# Altium PCB Lancelot.PcbDoc (part 10 of 14)
Units mil, origin at the board's own origin, x right, y up, seen from the top; angles counter-clockwise.
Board outline 4837.61 x 3252.61 mil, 6 copper layers (Top Layer, Mid-Layer 1, Mid-Layer 2, Mid-Layer 3, Mid-Layer 4, Bottom Layer); 372 components, 275 nets, 2062 pads, 1350 vias.
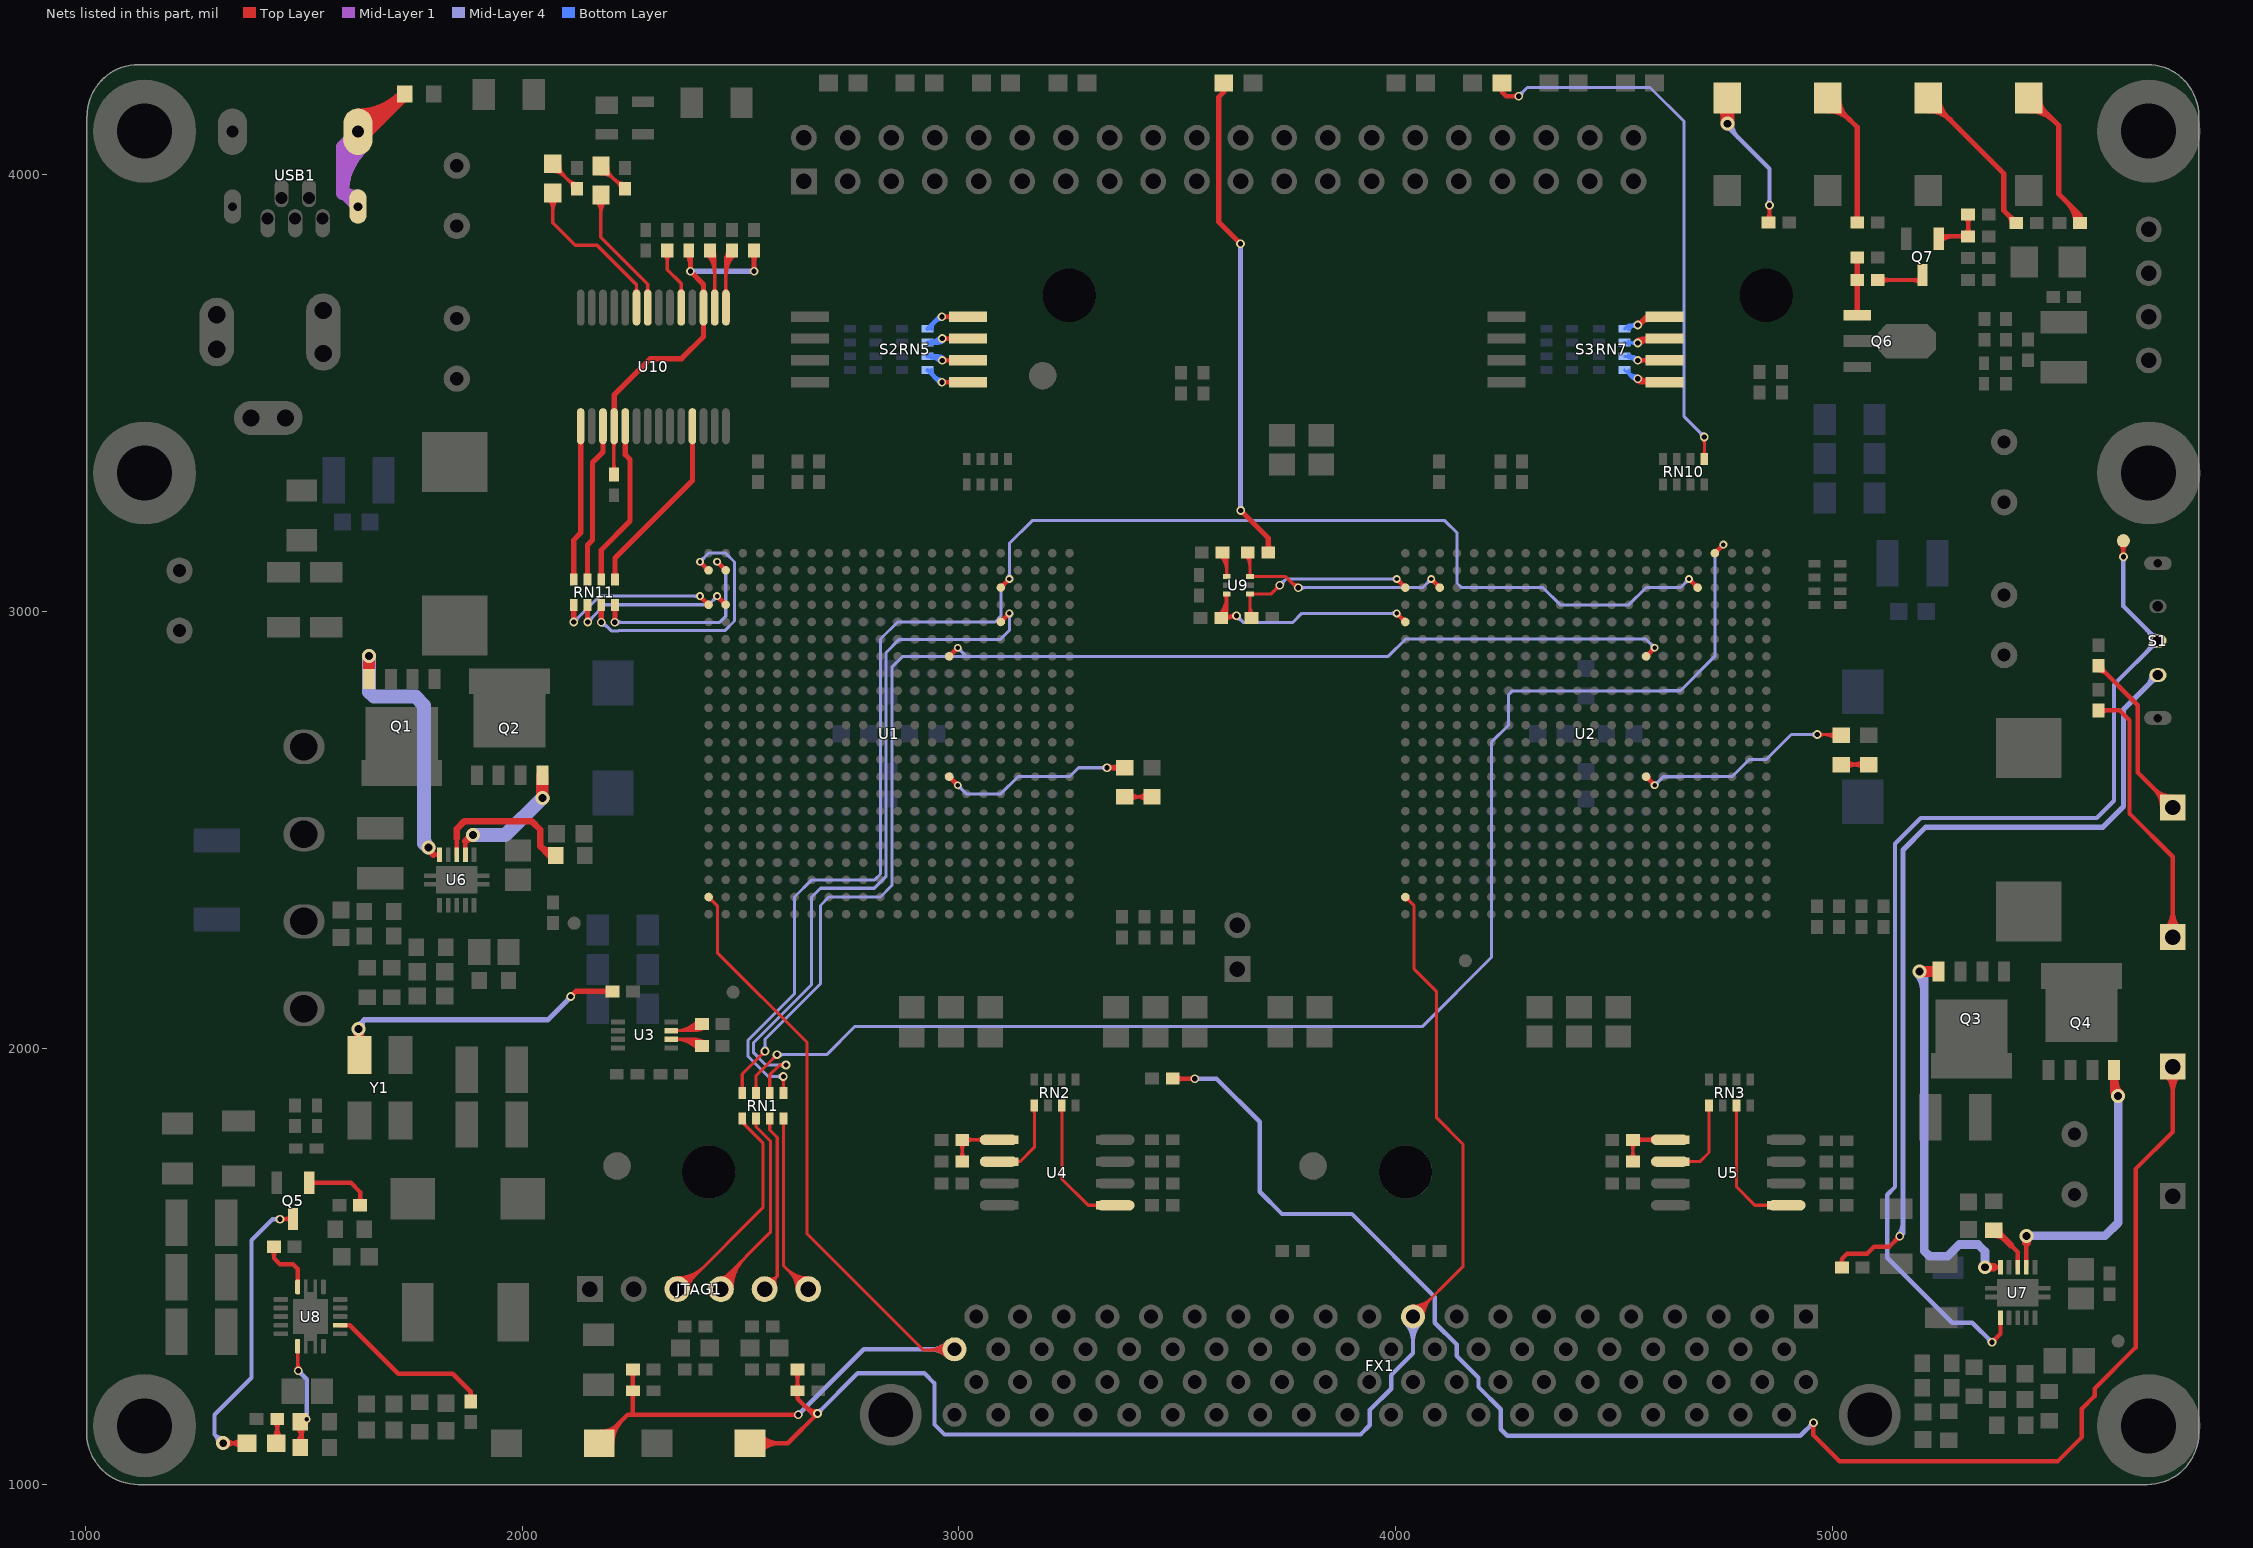
[diagram p14: the nets of this part, all layers, seen from the top]

## Via types
v1: diameter 18, hole 10, Top Layer to Bottom Layer, tented both sides, 625 vias
v2: diameter 20, hole 12, Top Layer to Bottom Layer, tented both sides, 515 vias
v3: diameter 32, hole 18, Top Layer to Bottom Layer, tented both sides, 191 vias
v4: diameter 23.62, hole 11.81, Top Layer to Bottom Layer, tented bottom, 10 vias
v5: diameter 19.68, hole 11.81, Top Layer to Bottom Layer, tented bottom, 4 vias
v6: diameter 118.11, hole 118.11, Top Layer to Bottom Layer, tented bottom, 2 vias
v7: diameter 78.74, hole 78.74, Top Layer to Bottom Layer, tented bottom, 2 vias
v8: diameter 50, hole 28, Top Layer to Bottom Layer, tented both sides, 1 vias

## Nets (pads, with @x,y where several pads share a name; then routed paths per layer and width w, separated by ;. In a path a pad name is that pad's centre, name@x,y a point inside that pad or via, vN(x,y) a via of type N, cw(c..) or ccw(c..) an arc to the next point about the centre after c; other vN are vias at no path point) (continued)
NetFPGA2_VALID_1: RN10.1 VALID.1@4243.46,4210 | length 1403
  Top Layer w7: v2@4702.65,3395.16 cw(c4691.55,3384.06) 4707.24,3384.06 cw(c4722.94,3384.06) v2@4711.84,3395.16 ; RN10.1@4703.46,3358.24 ccw(c4694.31,3367.38) 4707.24,3367.38 ccw(c4720.18,3367.38) RN10.1@4711.03,3358.24 ; RN10.1@4707.24,3349.53 v2(4707.24,3399.76)
  Top Layer w10: VALID.1@4239.07,4195.99 cw(c4237.19,4190) 4243.46,4190 ; VALID.1@4243.46,4210 4243.46,4190 ; VALID.1@4247.86,4195.99 ccw(c4249.74,4190) 4243.46,4190 ; v2@4278.46,4176.46 ccw(c4269.93,4167.93) 4269.93,4180 ccw(c4269.93,4192.07) v2@4278.46,4183.54 ; v2(4282,4180) 4253.46,4180 4243.46,4190
  Mid-Layer 4 w7: v2(4282,4180) 4302,4200 4583,4200 4661,4122 4661,3446 v2(4707.24,3399.76) ; v2@4282,4186.5 ccw(c4282,4202.19) 4293.1,4191.1 ccw(c4304.19,4180) v2@4288.5,4180 ; v2@4700.74,3399.76 ccw(c4685.05,3399.76) 4696.15,3410.85 ccw(c4707.24,3421.95) v2@4707.24,3406.26
NetHOT_2: HOT.2 R80.2 | length 1184.3
  Top Layer w12: HOT.2@3601.58,4197.24 cw(c3598.76,4190) 3606.54,4190 ; HOT.2@3606.54,4210 3606.54,4190 ; HOT.2@3611.49,4197.24 ccw(c3614.31,4190) 3606.54,4190 ; v2(3645,3842) 3595,3892 3595,4178.46 3606.54,4190 ; v2(3645.63,3230.99) 3708.62,3168 R80.2@3708.62,3135 ; R80.2@3703.12,3140.5 ccw(c3689.84,3153.78) 3708.62,3153.78 ccw(c3727.4,3153.78) R80.2@3714.12,3140.5
  Mid-Layer 4 w12: 3645,3242.17 ccw(c3656.82,3242.17) v2@3648.46,3233.82 ; v2(3645,3842) 3645,3231.62 v2(3645.63,3230.99)
NetJTAG1_3: JTAG1.3 RN1.5 | length 757.4
  Top Layer w7: JTAG1.3@2355,1453.03 ccw(c2355,1489.31) 2380.65,1463.65 ; JTAG1.3@2355,1460.03 ccw(c2355,1513.21) 2392.6,1475.6 ; JTAG1.3@2355,1465 2382,1465 ; JTAG1.3@2355,1467.03 ccw(c2355,1537.11) 2404.55,1487.55 ; JTAG1.3@2355,1474.03 ccw(c2355,1561.01) 2416.5,1499.5 ; JTAG1.3@2374.03,1448 cw(c2395.82,1448) 2380.41,1463.41 ; JTAG1.3@2379.79,1455.92 cw(c2388.35,1458.65) 2382,1465 ; JTAG1.3@2381.03,1448 cw(c2419.72,1448) 2392.36,1475.36 ; RN1.5@2503.76,1838.47 2503.76,1830.24 2551,1783 2551,1634 2382,1465 ; RN1.5@2509.11,1833.55 ccw(c2530.03,1833.55) 2515.24,1818.76
NetJTAG1_4: JTAG1.4 RN1.6 | length 735
  Top Layer w7: JTAG1.4@2455,1448 2455,1465 2568,1578 2568,1787 2535.25,1819.75 RN1.6@2535.25,1838.47 ; JTAG1.4@2455,1474.03 ccw(c2455,1495.82) 2470.41,1480.41 ; JTAG1.4@2460.03,1448 cw(c2513.21,1448) 2475.6,1485.6 ; JTAG1.4@2467.03,1448 cw(c2537.11,1448) 2487.55,1497.55 ; JTAG1.4@2474.03,1448 cw(c2561.01,1448) 2499.5,1509.5 ; JTAG1.4@2481.03,1448 cw(c2584.91,1448) 2511.45,1521.45 ; RN1.6@2531.46,1829.76 cw(c2522.32,1820.62) 2535.25,1820.62 cw(c2548.19,1820.62) RN1.6@2539.04,1829.76
NetJTAG1_5: JTAG1.5 RN1.7 | length 498.5
  Top Layer w7: JTAG1.5@2555,1465 2572,1465 2584,1477 ; JTAG1.5@2561.45,1465.9 ccw(c2566.23,1479.17) 2576.2,1469.2 ccw(c2586.17,1459.23) JTAG1.5@2572.9,1454.45 ; RN1.7@2562.96,1829.76 cw(c2553.81,1820.62) 2566.75,1820.62 cw(c2579.68,1820.62) RN1.7@2570.54,1829.76 ; JTAG1.5@2563.82,1472.49 ccw(c2570.35,1490.64) 2584,1477 ; RN1.7@2566.75,1838.47 2566.75,1812.25 2584,1795 2584,1477 ; JTAG1.5@2579.49,1456.82 cw(c2597.64,1463.35) 2584,1477
NetJTAG1_6: JTAG1.6 RN1.8 | length 634.5
  Top Layer w7: RN1.8@2594.46,1829.76 cw(c2585.31,1820.62) 2598.24,1820.62 cw(c2611.18,1820.62) RN1.8@2602.03,1829.76 ; RN1.8@2598.24,1838.47 2598.24,1501.76 JTAG1.6@2653.5,1446.5 ; 2605.45,1494.55 ccw(c2655,1544.11) JTAG1.6@2655,1474.03 ; 2612.69,1487.31 cw(c2573.38,1448) JTAG1.6@2628.97,1448 ; 2617.4,1482.6 ccw(c2655,1520.21) JTAG1.6@2655,1467.03 ; 2624.64,1475.36 cw(c2597.28,1448) JTAG1.6@2635.97,1448 ; 2629.35,1470.65 ccw(c2655,1496.31) JTAG1.6@2655,1460.03
NetPWR_OK_1: PWR_OK.1 R58.1 | length 143.8
  Top Layer w10: PWR_OK.1@1428.05,1105.38 ccw(c1402.52,1130.91) 1438.62,1130.91 ; R58.1@1432.41,1143.79 cw(c1417.43,1128.8) 1438.62,1128.8 cw(c1459.82,1128.8) R58.1@1444.83,1143.79 ; PWR_OK.1@1438.62,1095.16 R58.1@1438.62,1150 ; 1438.62,1130 ccw(c1473.43,1130) PWR_OK.1@1448.82,1105.38
NetPWR_OK_2: PWR_OK.2 Q5.3 | length 882.1
  Top Layer w10: v3@1316,1095 PWR_OK.2@1371.54,1095 ; v3@1322.78,1087.22 cw(c1341.56,1068.44) 1341.56,1095 cw(c1341.56,1121.56) v3@1322.78,1102.78 ; PWR_OK.2@1357.18,1084.62 ccw(c1332.11,1059.55) 1332.11,1095 ccw(c1332.11,1130.45) PWR_OK.2@1357.18,1105.38 ; v2(1445,1608) 1445.66,1608.66 Q5.3@1475,1608.66 ; v2@1448.54,1604.46 cw(c1458.67,1594.33) 1458.67,1608.66 ; v2@1448.54,1611.54 ccw(c1455.47,1618.47) 1455.47,1608.66 ; Q5.3@1470.18,1603.85 ccw(c1458.56,1592.22) 1458.56,1608.66 ccw(c1458.56,1625.1) Q5.3@1470.18,1613.48
  Mid-Layer 4 w10: v3@1304,1095 ccw(c1277.44,1095) 1296.22,1113.78 ccw(c1315,1132.56) v3@1315,1106 ; v3(1315,1095) 1295,1115 1295,1160 1380,1245 1380,1560 1428,1608 v2(1445,1608) ; v2@1441.46,1604.46 ccw(c1432.93,1595.93) 1432.93,1608 ccw(c1432.93,1620.07) v2@1441.46,1611.54
NetQ1_4: Q1.4 U6.10 | length 680
  Top Layer w10: 1796,2443 1796.07,2443.07 U6.10@1810.63,2443.07
  Top Layer w15: v3(1785,2459) 1785,2454 1796,2443 cw(c1804.95,2451.95) v3@1793.01,2456.17
  Top Layer w28: Q1.4@1649,2845.28 v3(1649,2898)
  Mid-Layer 4 w32: v3(1649,2898) 1649,2816 1660,2805 1755,2805 1775,2785 1775,2469 v3(1785,2459) cw(c1809.14,2483.14) 1775,2483.14
NetQ2_4: Q2.4 U6.7 | length 317.3
  Top Layer w10: U6.7@1869.68,2443.07 1869.68,2473.68 1870,2474
  Top Layer w15: v3@1886.01,2479.56 ccw(c1883.74,2460.26) 1870,2474 1884,2488 v3(1887,2488)
  Top Layer w28: v3(2046,2573) Q2.4@2046,2624.72
  Mid-Layer 4 w32: v3(1887,2488) 1961,2488 v3(2046,2573)
NetQ3_4: Q3.4 U7.10 | length 1030.2
  Top Layer w10: v3@5357.78,1490.22 cw(c5376.73,1471.27) 5376.73,1498.07 ; v3@5357.78,1505.78 ccw(c5376.39,1524.39) 5376.39,1498.07 ; v3@5359.24,1503.97 ccw(c5370.07,1510.96) 5370.07,1498.07 ; v3@5359.3,1492.13 cw(c5370.07,1485.34) 5370.07,1498.07 ; 5370,1498 5370.07,1498.07 ; U7.10@5385.63,1498.07 5370.07,1498.07
  Top Layer w20: v3(5200,2175) v3@5200.28,2175.28 ; v3(5350,1498) 5370,1498
  Top Layer w25: v3@5200.28,2175.28 Q3.4@5244,2175.28
  Mid-Layer 4 w20: v3@5195.76,2170.76 cw(c5158.96,2133.96) 5211,2133.96 ; v3(5200,2175) 5211,2164 5211,1535.34 5223.34,1523 5264,1523 5291,1550 5334,1550 5350,1534 v3(5350,1498)
NetQ4_4: Q4.4 U7.7 | length 740.8
  Top Layer w10: v3@5437.22,1562.22 cw(c5419.2,1544.2) 5444.68,1544.2 ; v3@5440.6,1559.92 cw(c5437.88,1553.68) 5444.68,1553.68 ; U7.7@5444.69,1498.07 5444.69,1553.68 ; 5444.68,1542.68 cw(c5472.32,1542.68) v3@5452.78,1562.22 ; 5445,1554 5444.69,1553.68 ; v3@5448.86,1559.7 ccw(c5451.11,1553.68) 5444.68,1553.68
  Top Layer w20: 5445,1554 v3(5445,1570) ; 5646,1926.21 ccw(c5691.21,1926.21) v3@5659.24,1894.24 ; Q4.4@5646,1949.72 5646,1899 v3(5655,1890)
  Mid-Layer 4 w20: v3(5445,1570) 5625,1570 5655,1600 v3(5655,1890)
NetQ5_1: Q5.1 R60.1 | length 214.4
  Top Layer w10: Q5.1@1512.4,1691.34 1607.66,1691.34 1628.62,1670.38 R60.1@1628.62,1640 ; Q5.1@1517.22,1686.52 cw(c1528.84,1674.9) 1528.84,1691.34 cw(c1528.84,1707.78) Q5.1@1517.22,1696.15 ; R60.1@1622.41,1646.21 ccw(c1607.43,1661.2) 1628.62,1661.2 ccw(c1649.82,1661.2) R60.1@1634.83,1646.21
NetQ6_2: Q6.1 R67.2 R68.2 | length 243.6
  Top Layer w12: R68.2@5051.88,3753.5 cw(c5039.03,3740.66) 5057.2,3740.66 ; R68.2@5051.88,3764.5 ccw(c5039.03,3777.34) 5057.2,3777.34 ; R67.2@5051.88,3805.5 cw(c5039.03,3792.66) 5057.2,3792.66 ; Q6.1@5053.09,3682.16 ccw(c5043.17,3692.08) 5057.2,3692.08 ccw(c5071.23,3692.08) Q6.1@5061.31,3682.16 ; Q6.1@5057.2,3678.06 5057.2,3810.82 R67.2@5057.38,3811 ; 5057.2,3739.78 cw(c5076.6,3739.78) R68.2@5062.88,3753.5 ; 5057.2,3778.22 ccw(c5076.6,3778.22) R68.2@5062.88,3764.5 ; 5057.2,3791.78 cw(c5076.6,3791.78) R67.2@5062.88,3805.5
NetQ7_1: Q7.1 R73.2 R75.2 | length 247.3
  Top Layer w10: Q7.1@5244.4,3853.34 5250.06,3859 R75.2@5311.38,3859 R73.2@5311.38,3909 ; Q7.1@5249.22,3848.52 cw(c5274.51,3823.23) 5274.51,3859 ; R75.2@5303.2,3852.79 ccw(c5288.21,3837.8) 5288.21,3859 ccw(c5288.21,3880.2) R75.2@5303.2,3865.21 ; R75.2@5305.17,3865.21 ccw(c5290.18,3880.2) 5311.38,3880.2 ccw(c5332.57,3880.2) R75.2@5317.59,3865.21 ; R73.2@5305.17,3902.79 cw(c5290.18,3887.8) 5311.38,3887.8 cw(c5332.57,3887.8) R73.2@5317.59,3902.79
NetQ7_3: Q7.3 R68.1 | length 159.1
  Top Layer w10: R68.1@5104.62,3759 5195.34,3759 Q7.3@5207,3770.66 ; R68.1@5112.8,3752.79 cw(c5127.79,3737.8) 5127.79,3759 cw(c5127.79,3780.2) R68.1@5112.8,3765.21 ; 5185.44,3759 cw(c5185.44,3735.33) Q7.3@5202.18,3752.07
NetR2_2: R2.2 Y1.3 | length 910.4
  Top Layer w12: Y1.3@1611.53,2014.81 ccw(c1574.72,2051.61) 1626.77,2051.61 ccw(c1678.82,2051.61) Y1.3@1642.02,2014.81 ; v3@1617.11,2037.86 cw(c1605.63,2028.92) 1619.68,2025.16 cw(c1633.02,2021.58) v3@1628.37,2034.58 ; v3@1617.93,2036.93 cw(c1596.58,2015.58) Y1.3@1626.77,2015.58 ; v3(1625,2044) 1625,2052 1626,2053 1626.77,2052.23 Y1.3@1626.77,1983.82 ; Y1.3@1626.77,2024.13 cw(c1644.87,2024.13) v3@1632.07,2036.93 ; v2(2111,2118) 2123,2130 R2.2@2211.38,2130 ; R2.2@2198.91,2124.5 ccw(c2185.63,2111.22) 2185.63,2130 ccw(c2185.63,2148.78) R2.2@2198.91,2135.5
  Mid-Layer 4 w12: v3(1625,2044) 1625,2052 1638,2065 ; v3@1634.33,2047.61 cw(c1649.51,2053.48) 1638,2065 ; 2103.46,2109.46 ccw(c2094.93,2118) v2@2107,2118 ; v2(2111,2118) 2111,2117 2059,2065 1638,2065
NetR3_2: R3.2 U3.2 | length 265
  Top Layer w7: U3.2@2341.02,2020.16 2396.22,2020.16 ; U3.2@2348,2020.16 cw(c2348,1943.59) R3.2@2402.14,1997.73 ; 2364.9,2020.16 cw(c2364.9,1960.49) R3.2@2407.09,2002.68 ; 2381.8,2020.16 cw(c2381.8,1977.39) R3.2@2412.04,2007.63 ; 2398.7,2020.16 cw(c2398.7,1994.29) R3.2@2416.99,2012.58 ; R3.2@2399.5,2007.73 ccw(c2387.19,2011.13) 2396.22,2020.16 ; R3.2@2408.9,2015.27 cw(c2408.08,2032.01) 2396.22,2020.16 ; R3.2@2411.38,2005 2396.22,2020.16
NetR4_2: R4.2 U3.3 | length 265
  Top Layer w7: U3.3@2341.02,2039.84 2396.22,2039.84 ; U3.3@2348,2039.84 ccw(c2348,2116.41) R4.2@2402.14,2062.27 ; 2364.9,2039.84 ccw(c2364.9,2099.51) R4.2@2407.09,2057.32 ; 2381.8,2039.84 ccw(c2381.8,2082.61) R4.2@2412.04,2052.37 ; 2398.7,2039.84 ccw(c2398.7,2065.71) R4.2@2416.99,2047.42 ; R4.2@2399.5,2052.27 cw(c2387.19,2048.87) 2396.22,2039.84 ; R4.2@2408.9,2044.73 ccw(c2408.08,2027.99) 2396.22,2039.84 ; R4.2@2411.38,2055 2396.22,2039.84
NetR20_2: R20.2 R21.1 U4.1 | length 282
  Top Layer w7: R20.2@3000.35,1747.27 ccw(c2982.81,1764.82) 3007.62,1764.82 ccw(c3032.44,1764.82) R20.2@3014.89,1747.27 ; R21.1@3000.35,1782.73 cw(c2982.8,1765.18) 3007.62,1765.18 cw(c3032.44,1765.18) R21.1@3014.89,1782.73 ; R20.2@3007.62,1740 R21.1@3007.62,1790 U4.1@3091.14,1790 ; R21.1@3016.86,1782.73 cw(c3034.41,1765.18) 3034.41,1790 cw(c3034.41,1814.82) R21.1@3016.86,1797.27 ; U4.1@3053.77,1784.12 ccw(c3039.58,1769.94) 3039.58,1790 ccw(c3039.58,1810.06) U4.1@3053.77,1795.88
NetR23_2: R23.2 R25.1 U5.1 | length 271.6
  Top Layer w7: R23.2@4536.35,1747.27 ccw(c4518.81,1764.82) 4543.62,1764.82 ccw(c4568.44,1764.82) R23.2@4550.89,1747.27 ; R25.1@4536.35,1782.73 cw(c4518.81,1765.18) 4543.62,1765.18 cw(c4568.44,1765.18) R25.1@4550.89,1782.73 ; R23.2@4543.62,1740 R25.1@4543.62,1790
  Top Layer w10: R25.1@4543.62,1790 U5.1@4628.14,1790 ; R25.1@4551.8,1783.79 cw(c4566.79,1768.8) 4566.79,1790 cw(c4566.79,1811.2) R25.1@4551.8,1796.21 ; U5.1@4591.83,1785.18 ccw(c4580.2,1773.56) 4580.2,1790 ccw(c4580.2,1806.44) U5.1@4591.83,1794.82
NetR24_1: R24.1 R26.1 | length 166
  Top Layer w8: R24.1@3379.91,2575.42 R26.1@3441.89,2575.42 ; R24.1@3391.57,2565.73 cw(c3414.99,2542.31) 3414.99,2575.42 cw(c3414.99,2608.54) R24.1@3391.57,2585.12 ; 3406.65,2575.42 ccw(c3406.65,2608.92) R26.1@3430.33,2585.23 ; 3407.19,2575.42 cw(c3407.19,2542.69) R26.1@3430.33,2565.84
NetR24_2: R24.2 U1.P15 | length 664.4
  Top Layer w7: v2(3339,2642) R24.2@3379.55,2642 ; v2@3342.25,2636.37 cw(c3352.51,2618.6) 3357.82,2638.42 ; v2@3342.25,2647.63 ccw(c3351.76,2664.1) 3356.68,2645.73 ; v2@3342.76,2642 ccw(c3342.76,2677.53) R24.2@3367.88,2652.41 ; v2@3343.6,2637.4 cw(c3354.69,2626.31) 3354.69,2642 cw(c3354.69,2657.69) v2@3343.6,2646.6 ; v2@3344.47,2642 cw(c3344.47,2608.89) R24.2@3367.88,2632.3 ; v2@3344.63,2638.75 cw(c3355.34,2632.57) 3352.14,2644.51 ; v2@3344.63,2645.25 ccw(c3354.03,2650.68) 3351.22,2640.19 ; 3359.66,2642 ccw(c3359.66,2660.63) R24.2@3372.83,2647.46
  Top Layer w10: U1.P15@2977.8,2616.73 cw(c2977.8,2605.04) 2986.06,2613.31 cw(c2994.33,2621.57) U1.P15@2982.64,2621.57 ; U1.P15@2977.8,2621.57 v1(2997.48,2601.89) ; v1@2993.48,2601.89 ccw(c2983.82,2601.89) 2990.65,2608.72 ccw(c2997.48,2615.55) v1@2997.48,2605.89
  Mid-Layer 4 w7: v1@2997.48,2596.39 cw(c2997.48,2583.11) 3006.87,2592.5 cw(c3016.26,2601.89) v1@3002.98,2601.89 ; v1(2997.48,2601.89) 3017.17,2582.2 3095.91,2582.2 3135.28,2621.57 3253.39,2621.57 3273.81,2642 v2(3339,2642) ; v2@3334.4,2637.4 ccw(c3323.31,2626.31) 3323.31,2642 ccw(c3323.31,2657.69) v2@3334.4,2646.6
NetR37_1: R37.1 R38.1 | length 159.4
  Top Layer w10: R37.1@5020.75,2649.41 R38.1@5083.75,2649.41 ; R37.1@5031.71,2640.42 cw(c5053.42,2618.71) 5053.42,2649.41 cw(c5053.42,2680.11) R37.1@5031.71,2658.4 ; R38.1@5072.79,2640.42 ccw(c5051.08,2618.71) 5051.08,2649.41 ccw(c5051.08,2680.11) R38.1@5072.79,2658.4
NetR37_2: R37.2 U2.P15 | length 677.3
  Top Layer w7: v2(4966,2718) R37.2@5019.09,2718 ; v2@4970.6,2713.4 cw(c4981.69,2702.31) 4981.69,2718 cw(c4981.69,2733.69) v2@4970.6,2722.6 ; 4980.45,2718 cw(c4980.45,2678.01) R37.2@5008.73,2706.29 ; 4988.47,2718 ccw(c4988.47,2746.65) R37.2@5008.73,2726.39 ; 4997.35,2718 cw(c4997.35,2694.91) R37.2@5013.68,2711.24
  Top Layer w10: U2.P15@4573.79,2616.66 cw(c4573.79,2604.97) 4582.05,2613.24 cw(c4590.32,2621.5) U2.P15@4578.63,2621.5 ; U2.P15@4573.79,2621.5 v1(4593.47,2601.82) ; v1@4589.47,2601.82 ccw(c4579.82,2601.82) 4586.64,2608.65 ccw(c4593.47,2615.47) v1@4593.47,2605.82
  Mid-Layer 4 w7: v1(4593.47,2601.82) 4613.07,2621.42 4652.44,2621.42 4652.53,2621.5 4770.64,2621.5 4810.01,2660.87 4849.38,2660.87 4906.5,2718 v2(4966,2718) ; v1@4593.47,2607.32 ccw(c4593.47,2620.6) 4602.86,2611.21 ccw(c4612.25,2601.82) v1@4598.97,2601.82 ; v2@4961.4,2713.4 ccw(c4950.31,2702.31) 4950.31,2718 ccw(c4950.31,2733.69) v2@4961.4,2722.6
NetR40_1: R40.1 V_CORE1.1 | length 3884.7
  Top Layer w10: R40.1@3489.62,1930 v2(3540,1930) ; R40.1@3497.8,1923.79 cw(c3512.79,1908.8) 3512.79,1930 cw(c3512.79,1951.2) R40.1@3497.8,1936.21 ; v2@3536.46,1926.46 ccw(c3527.93,1917.93) 3527.93,1930 ccw(c3527.93,1942.07) v2@3536.46,1933.54 ; v2@4953.46,1138.46 cw(c4944.93,1129.93) 4957,1129.93 cw(c4969.07,1129.93) v2@4960.54,1138.46 ; v2(4957,1142) 4957,1113 5016,1054 5517,1054 5572,1109 5572,1174 5601,1203 5601,1220 5695,1314 5695,1723 5780,1808 V_CORE1.1@5780,1957.67 ; V_CORE1.1@5762.66,1940.32 cw(c5720.79,1898.45) 5780,1898.45 cw(c5839.21,1898.45) V_CORE1.1@5797.34,1940.32 ; V_CORE1.1@5769.73,1947.39 cw(c5744.93,1922.59) 5780,1922.59 cw(c5815.07,1922.59) V_CORE1.1@5790.27,1947.39
  Mid-Layer 4 w10: v2(3540,1930) 3590,1930 3689,1831 3689,1671 3740,1620 3900,1620 4090,1430 4090,1371 4140,1321 4140,1295 4190,1245 4190,1224 4241,1173 4241,1127 4256,1112 4927,1112 v2(4957,1142) ; v2@3543.54,1926.46 cw(c3552.07,1917.93) 3552.07,1930 cw(c3552.07,1942.07) v2@3543.54,1933.54 ; v2@4952,1142 cw(c4939.93,1142) 4948.46,1133.46 cw(c4957,1124.93) v2@4957,1137
NetR42_2: R42.2 U6.8 | length 388
  Top Layer w10: U6.8@1850,2443.07 1850,2481
  Top Layer w15: 1850,2481 1850,2502 1868,2520 2021,2520 2041,2500 2041,2462 ; R42.2@2074.17,2452.61 cw(c2065.99,2486.99) 2041,2462 ; R42.2@2080.47,2440.7 2062.3,2440.7 2041,2462
NetR45_1: R45.1 S1.3 | length 2055.8
  Top Layer w10: R45.1@5016.35,1503.38 ccw(c5003.12,1517.38) 5022.38,1517.38 ; R45.1@5022.38,1497 5022.38,1517.38 ; R45.1@5028.41,1503.38 cw(c5041.64,1517.38) 5022.38,1517.38 ; v2@5150,1569 cw(c5137.93,1569) 5146.46,1560.46 cw(c5155,1551.93) v2@5155,1564 ; v2(5155,1569) 5131.38,1545.38 5096.39,1545.38 5080,1528.99 5033.99,1528.99 5022.38,1517.38
  Mid-Layer 4 w12: v2@5152.17,1571.83 ccw(c5128.44,1595.56) 5162,1595.56 ; v2(5155,1569) 5162,1576 5162,2453.81 5214.19,2506 5620,2506 5667,2553 5667,2775.26 S1.3@5746,2854.26 ; 5722.64,2830.9 ccw(c5699.28,2854.26) S1.3@5732.31,2854.26 ; 5732.14,2840.4 cw(c5742.06,2830.48) S1.3@5742.06,2844.51
NetR50_1: R50.1 V_CORE2.1 | length 799.3
  Top Layer w10: R50.1@5610,2773.38 5658.62,2773.38 5681,2751 5681,2537 5780,2438 V_CORE2.1@5780,2254.33 ; R50.1@5616.21,2767.17 cw(c5631.2,2752.18) 5631.2,2773.38 cw(c5631.2,2794.57) R50.1@5616.21,2779.59 ; V_CORE2.1@5762.66,2271.68 ccw(c5720.79,2313.55) 5780,2313.55 ccw(c5839.21,2313.55) V_CORE2.1@5797.34,2271.68 ; V_CORE2.1@5769.73,2264.61 ccw(c5744.93,2289.41) 5780,2289.41 ccw(c5815.07,2289.41) V_CORE2.1@5790.27,2264.61
NetR52_2: R52.2 U7.8 | length 147.9
  Top Layer w10: 5409,1549 5425,1533 U7.8@5425,1498.07
  Top Layer w15: R52.2@5371.97,1572.32 cw(c5371.97,1539.21) 5395.38,1562.62 ; R52.2@5372.53,1585.47 5409,1549 ; R52.2@5382.18,1582.54 ccw(c5398.41,1582.54) R52.2@5386.94,1571.06
NetR61_1: R61.1 U8.1 | length 165.4
  Top Layer w10: R61.1@1425.17,1538.79 cw(c1410.18,1523.8) 1431.38,1523.8 cw(c1452.57,1523.8) R61.1@1437.59,1538.79 ; R61.1@1431.38,1545 1431.38,1518.62 1445,1505 1475,1505 1485.47,1494.53 U8.1@1485.47,1452.91
NetR62_1: R62.1 V_AUX/IO1.1 | length 576.2
  Top Layer w10: R62.1@5610,2864.63 cw(c5610,2838.68) 5628.35,2857.03 ; R62.1@5610,2875.38 5700,2785.38 5700,2631 V_AUX/IO1.1@5780,2551 ; R62.1@5618.78,2873.41 ccw(c5635.22,2873.41) R62.1@5623.6,2861.78 ; V_AUX/IO1.1@5755.47,2551 ccw(c5696.26,2551) 5738.13,2592.87 ccw(c5780,2634.74) V_AUX/IO1.1@5780,2575.53 ; V_AUX/IO1.1@5765.47,2551 ccw(c5730.4,2551) 5755.2,2575.8 ccw(c5780,2600.6) V_AUX/IO1.1@5780,2565.53
NetR63_2: R63.2 U8.10 | length 416
  Top Layer w10: U8.10@1582.91,1365.32 1604.68,1365.32 1716,1254 1841,1254 1882,1213 ; R63.2@1875.96,1198.96 ccw(c1862.67,1213) 1882,1213 ; R63.2@1882,1190.62 1882,1213 ; R63.2@1888.04,1198.96 cw(c1901.33,1213) 1882,1213
NetR64_1: R64.1 R66.2 U8.7 | length 483.3
  Top Layer w8: v2@1482.76,1265.24 ccw(c1476.2,1271.8) 1485.47,1271.8 ; 1485.47,1279.17 ccw(c1505.17,1279.17) v2@1491.24,1265.24 ; U8.7@1485.47,1317.09 1485.47,1262.53 v2(1487,1261)
  Top Layer w10: R64.1@1482.54,1095.96 ccw(c1451.33,1127.17) R66.2@1495.47,1127.17 ; R66.2@1482.54,1133.04 cw(c1451.33,1101.83) R64.1@1495.47,1101.83 ; R64.1@1486.81,1098.78 ccw(c1482.96,1108.41) 1492.99,1111.1 ; R66.2@1491.54,1150 v1(1506.3,1150) ; R64.1@1495.47,1095 R66.2@1495.47,1150 ; 1495.47,1108.16 ccw(c1512.73,1108.16) R64.1@1500.53,1095.96 ; 1495.47,1114.21 cw(c1542.09,1114.21) R66.2@1509.13,1147.17 ; 1495.47,1120.84 cw(c1512.73,1120.84) R66.2@1500.53,1133.04 ; R66.2@1495.47,1138.35 cw(c1517.95,1138.35) R66.2@1502.06,1154.24 ; R66.2@1503.47,1147.17 ccw(c1496.64,1140.34) 1496.64,1150 ccw(c1496.64,1159.66) R66.2@1503.47,1152.83
  Mid-Layer 4 w10: v2@1487,1256 cw(c1487,1243.93) 1495.54,1252.46 cw(c1504.07,1261) v2@1492,1261 ; v2(1487,1261) 1506.3,1241.7 v1(1506.3,1150) ; v1@1503.47,1152.83 ccw(c1496.64,1159.66) 1506.3,1159.66 ccw(c1515.96,1159.66) v1@1509.13,1152.83
NetR81_1: R81.1 U9.4 | length 113.2
  Top Layer w7: R81.1@3598.32,3127.73 cw(c3561.86,3091.27) 3613.43,3091.27 ; R81.1@3603.27,3132.68 cw(c3578.76,3108.17) 3613.43,3108.17 ; U9.4@3613.43,3079.68 R81.1@3613.43,3125.2
NetR83_2: R83.2 SET_1.2 | length 472.5
  Top Layer w12: SET_1.2@4990,4146.87 cw(c4990,4075.81) 5040.25,4126.05 ; SET_1.2@4990,4158.87 cw(c4990,4116.78) SET_1.2@5019.76,4146.54 ; SET_1.2@4990,4176.3 5057.38,4108.92 R83.2@5057.38,3891 ; SET_1.2@5015.5,4172.36 ccw(c5067.54,4172.36) 5030.74,4135.56 ; R83.2@5051.88,3896.5 ccw(c5038.6,3909.78) 5057.38,3909.78 ccw(c5076.16,3909.78) R83.2@5062.88,3896.5
NetR87_2: R87.2 RST_1.2 | length 489.3
  Top Layer w10: R87.2@4850.14,3897.21 ccw(c4835.15,3912.2) 4856.35,3912.2 ccw(c4877.54,3912.2) R87.2@4862.55,3897.21 ; v2@4852.81,3926.84 cw(c4844.28,3918.31) 4856.35,3918.31 cw(c4868.42,3918.31) v2@4859.88,3926.84 ; R87.2@4856.35,3891 v2(4856.35,3930.38)
  Top Layer w32: RST_1.2@4749.04,4161.4 cw(c4722.59,4134.95) 4760,4134.95 cw(c4797.41,4134.95) RST_1.2@4770.96,4161.4 ; v3(4760,4117) RST_1.2@4760,4176.3